# Altium PCB MercurialSDR.PcbDoc (part 2 of 6)
Units mil, origin at the board's own origin, x right, y up, seen from the top; angles counter-clockwise.
Board outline 3937.01 x 2362.2 mil, 2 copper layers (Top Layer, Bottom Layer); 147 components, 115 nets, 574 pads, 237 vias.
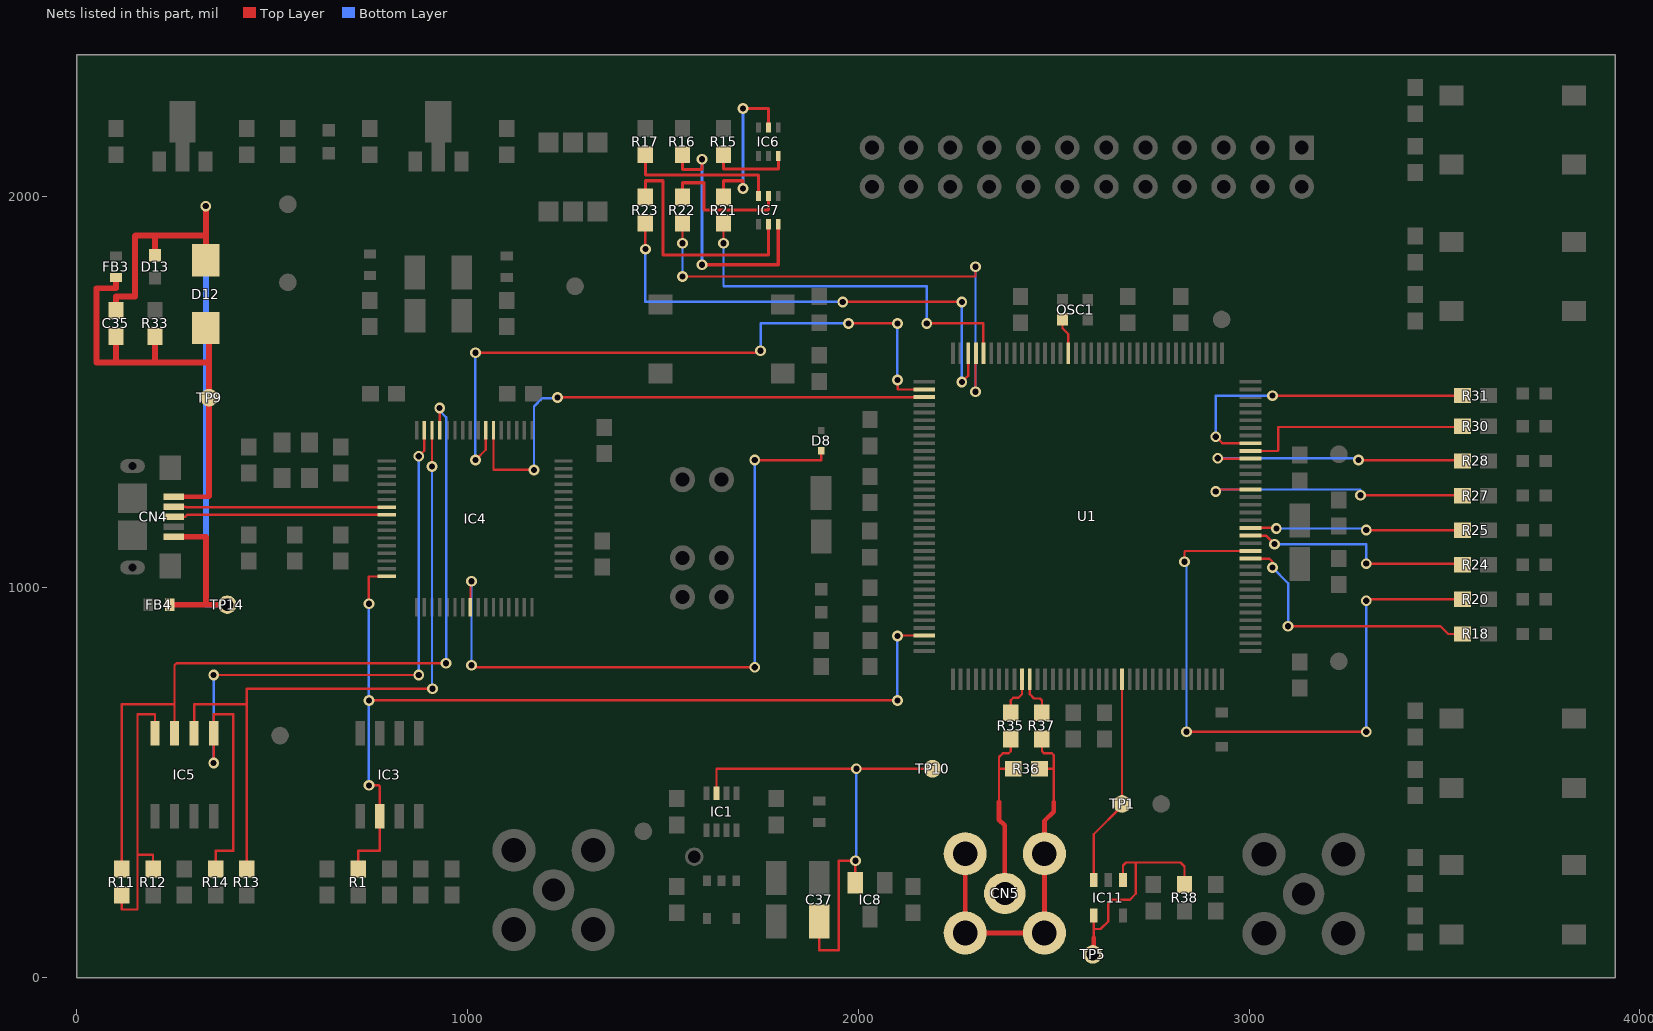
[diagram p2: the nets of this part, all layers, seen from the top]

## Via types
v1: diameter 27.56, hole 15.75, Top Layer to Bottom Layer, tented both sides, 237 vias

## Nets (pads, with @x,y where several pads share a name; then routed paths per layer and width w, separated by ;. In a path a pad name is that pad's centre, name@x,y a point inside that pad or via, vN(x,y) a via of type N, cw(c..) or ccw(c..) an arc to the next point about the centre after c; other vN are vias at no path point) (continued)
NetIC4_54: IC4.54 U1.39 | length 1375.2
  Top Layer w6: IC4.54@1066.31,1401.38 1066.31,1301.31 1067.63,1300 v1(1170,1300) ; v1@1230,1486.22 U1.39@2169.13,1486.22
  Bottom Layer w6: v1(1170,1300) 1170,1462.37 1191.31,1483.69 1228.69,1483.69 v1(1230,1485)
NetIC4_55: IC4.55 U1.38 | length 1752.1
  Top Layer w6: v1(1020,1325) 1046.63,1351.63 IC4.55@1046.63,1401.38 ; v1(1020,1600) 1745,1600 v1(1750,1605) ; v1(1975,1675) v1(2100,1675) ; v1@2100.91,1529.09 2100.91,1505.91 U1.38@2169.13,1505.91
  Bottom Layer w6: v1(1020,1325) v1(1020,1600) ; v1(1750,1605) 1750,1675 v1(1975,1675) ; v1(2100,1530) 2100,1672.06 2098.53,1673.53 v1(2100,1675)
NetIC4_61: IC4.61 IC5.3 R11.2 | length 2144.8
  Top Layer w6: R11.2@115,278.46 115,700 250,700 ; IC5.3@250,626.3 250,700 ; IC4.61@928.52,1401.38 v1(928.52,1458.52) ; v1(945,805) 255,805 250,800 250,700
  Bottom Layer w6: v1(928.52,1458.52) 928.52,1451.48 945,1435 v1(945,805)
NetIC4_62: IC4.62 IC5.2 R13.2 | length 1807.1
  Top Layer w6: IC5.2@300,626.3 300,700 435,700 ; R13.2@435,278.46 435,700 ; v1(908.83,1308.83) IC4.62@908.83,1401.38 ; v1(910,740) 435,740 435,700
  Bottom Layer w6: v1(908.83,1308.83) 908.83,741.17 v1(910,740)
NetIC4_63: IC4.63 IC5.1 R14.2 | length 2003.8
  Top Layer w6: v1(350,550) IC5.1@350,626.3 350,675 400,675 400,325 355,325 R14.2@355,278.46 ; v1(350,775) v1(875,775) ; v1@875,1330 v1(875,1335) 889.15,1349.15 IC4.63@889.15,1401.38
  Bottom Layer w6: v1(350,550) v1(350,775) ; v1(875,775) v1(875,1335)
NetIC5_4: IC5.4 R11.1 R12.1 | length 746.8
  Top Layer w6: R11.1@115,211.54 115,175 155,175 155,315 ; R12.1@195,278.46 195,315 155,315 ; IC5.4@200,626.3 200,675 155,675 155,315
NetIC6_2: IC6.2 R21.1 | length 430.3
  Top Layer w8: R21.1@1655,1998.46 1655,2040 1705,2040 v1(1705,2020) ; v1(1705,2225) 1770,2225 IC6.2@1770,2176.22
  Bottom Layer w8: v1(1705,2020) v1(1705,2225)
NetIC6_6: IC6.6 R15.2 | length 210.6
  Top Layer w8: R15.2@1655,2106.54 1655,2070 1795,2070 1795.59,2070.59 IC6.6@1795.59,2103.78
NetIC7_2: IC7.2 R22.1 | length 362.8
  Top Layer w8: R22.1@1550,1998.46 1550,2035 1605,2035 1605,1965 1770,1965 IC7.2@1770,2001.22
NetIC7_3: IC7.3 R17.2 | length 395.6
  Top Layer w8: R17.2@1455,2106.54 1455,2055 1745,2055 1745,2001.81 IC7.3@1744.41,2001.22
NetIC7_5: IC7.5 R23.2 | length 625.3
  Top Layer w8: R23.2@1455,1998.46 1455,2040 1500,2040 1500,1850 1770,1850 IC7.5@1770,1928.78
NetIC7_6: IC7.6 R16.2 | length 682.2
  Top Layer w8: R16.2@1550,2106.54 1550,2069.2 1600,2069.2 v1(1600,2095) ; v1(1600,1825) 1795,1825 1795,1928.19 IC7.6@1795.59,1928.78
  Bottom Layer w8: v1(1600,1825) v1(1600,2095)
NetIC11_1: IC11.1 IC11.4 R38.1 TP5.1 | length 600.4
  Top Layer w6: 2602.6,102.4 2602.6,125 ; IC11.4@2602.6,159.72 2602.6,125 ; IC11.1@2677.4,250.28 2677.4,287.4 2685,295 2710,295 ; R38.1@2835,238.46 2835,285 2825,295 2710,295 ; 2602.6,125 2620,125 2640,145 2640,190 2650,200 2695,200 2710,215 2710,295
  Top Layer w12: TP5.1@2600,60 2602.6,62.6 2602.6,102.4
NetOSC1_3: OSC1.3 U1.21 | length 93.1
  Top Layer w6: OSC1.3@2522.52,1685.39 2522.52,1662.48 2537.24,1647.76 U1.21@2537.24,1598.43
NetR18_2: R18.2 U1.121 | length 695.9
  Top Layer w6: U1.121@3003.77,1072.83 3052.17,1072.83 3060,1065 v1(3060,1050) ; v1(3100,900) 3490,900 3510,880 R18.2@3546.54,880
  Bottom Layer w6: v1(3060,1050) 3100,1010 v1(3100,900)
NetR20_2: R20.2 U1.122 | length 1674.9
  Top Layer w6: v1(2835,1065) 2835,1090 2837.52,1092.52 U1.122@3003.77,1092.52 ; v1(2840,630) v1(3300,630) ; v1(3300,965) 3303.57,968.57 R20.2@3546.54,968.57
  Bottom Layer w6: v1(2835,1065) 2840,1060 v1(2840,630) ; v1(3300,630) v1(3300,965)
NetR21_2: R21.2 U1.32 | length 998.4
  Top Layer w6: v1(1655,1880) R21.2@1655,1931.54 ; v1(2175,1675) 2320,1675 2320,1599.13 U1.32@2320.7,1598.43
  Bottom Layer w6: v1(1655,1880) 1655,1770 2175,1770 v1(2175,1675)
NetR22_2: R22.2 U1.33 | length 1330.4
  Top Layer w6: v1(1550,1795) 2300,1795 v1(2300,1820) ; v1(1550,1880) R22.2@1550,1931.54 ; v1(2300,1500) 2300,1597.41 U1.33@2301.02,1598.43
  Bottom Layer w6: v1(1550,1795) v1(1550,1880) ; v1(2300,1500) v1(2300,1820)
NetR23_1: R23.1 U1.34 | length 1296.7
  Top Layer w6: v1(1455,1865) R23.1@1455,1931.54 ; v1(1960,1730) v1(2265,1730) ; v1(2265,1525) 2281.33,1541.33 U1.34@2281.33,1598.43
  Bottom Layer w6: v1(1455,1865) 1455,1730 v1(1960,1730) ; v1(2265,1525) v1(2265,1730)
NetR24_2: R24.2 U1.124 | length 603
  Top Layer w6: U1.124@3003.77,1131.89 3043.11,1131.89 v1(3065,1110) ; v1(3300,1060) 3543.68,1060 R24.2@3546.54,1057.14
  Bottom Layer w6: v1(3065,1110) 3300,1110 v1(3300,1060)
NetR25_2: R25.2 U1.125 | length 545.2
  Top Layer w6: U1.125@3005.35,1150 U1.125@3003.77,1151.57 v1@3068.43,1151.57 ; v1(3300,1146.43) 3300.71,1145.71 R25.2@3546.54,1145.71
  Bottom Layer w6: v1(3070,1150) 3296.43,1150 v1(3300,1146.43)
NetR27_2: R27.2 U1.130 | length 739.7
  Top Layer w6: v1(2915,1245) 2920,1250 U1.130@3003.77,1250 ; v1(3285,1235) 3545.82,1235 R27.2@3546.54,1234.29
  Bottom Layer w6: v1(2915,1245) 2920,1250 3285,1250 v1(3285,1235)
NetR28_2: R28.2 U1.134 | length 716.7
  Top Layer w6: v1(2920,1330) 2921.26,1328.74 U1.134@3003.77,1328.74 ; v1(3280,1325) 3544.39,1325 R28.2@3546.54,1322.86
  Bottom Layer w6: v1(2920,1330) 3280,1330 v1(3280,1325)
NetR30_2: R30.2 U1.135 | length 604
  Top Layer w6: U1.135@3003.77,1348.43 3073.43,1348.43 3075,1350 3075,1410 3545.11,1410 R30.2@3546.54,1411.43
NetR31_2: R31.2 U1.136 | length 833
  Top Layer w6: v1(2915,1385) 2931.89,1368.11 U1.136@3003.77,1368.11 ; v1(3060,1490) 3546.15,1490 R31.2@3546.54,1490.38
  Bottom Layer w6: v1(2915,1385) 2915,1490.38 2915.38,1490 v1(3060,1490)
PGND: C35.2 CN4.5 D12.1 D13.2 FB4.1 TP14.1 | length 2087.1
  Top Layer w15: C35.2@100,1708.46 100,1743.8 148.8,1743.8 148.8,1898.8 150,1900 200,1900 ; D13.2@200,1849.53 200,1900 ; FB4.1@237.56,955 330,955 ; CN4.5@247.66,1128.82 328.82,1128.82 ; 330,1128.82 330,955 ; D12.1@330,1836.61 330,1900 ; v1(330,1975) 330,1900 ; TP14.1@385,955 330,955 ; 200,1900 330,1900
  Bottom Layer w15: v1(330,1975) 330,955 TP14.1@385,955
PWM_DIF_N: R37.2 U1.83 | length 107
  Top Layer w6: U1.83@2438.81,763.78 2438.81,726.19 2450,715 2465,715 2470,710 R37.2@2470,678.46
PWM_DIF_P: R35.2 U1.82 | length 105.1
  Top Layer w6: R35.2@2390,678.46 2390,710 2396.74,716.74 2410,716.74 2419.13,725.87 U1.82@2419.13,763.78
PWM_MOD: IC11.3 TP1.1 U1.95 | length 543.5
  Top Layer w6: IC11.3@2602.6,250.28 2602.6,367.6 2675.03,440.03 U1.95@2675.03,763.78
PWM_OUT_N: CN5.2 R36.2 R37.1 | length 972.7
  Top Layer w6: R36.2@2463.46,535 2500,535 ; R37.1@2470,611.54 2470,580 2475,575 2495,575 2500,570 2500,535 ; 2500,450 2500,535
  Top Layer w12: CN5.2@2273.62,317.58 CN5.2@2273.62,114.83 CN5.2@2476.38,114.83 CN5.2@2476.38,317.58 2476.38,401.38 2500,425 2500,450
PWM_OUT_P: CN5.1 R35.1 R36.1 | length 459.3
  Top Layer w6: 2360,450 2360,535 ; R35.1@2390,611.54 2390,580 2385,575 2370,575 2360,565 2360,535 ; R36.1@2396.54,535 2360,535
  Top Layer w12: 2360,450 2360,405 2375,390 CN5.1@2375,216.21
RESET_S: D8.2 IC4.24 | length 1738.6
  Top Layer w6: IC4.24@1007.26,948.62 1007.26,1012.26 v1(1010,1015) ; v1(1010,800) 1015,795 v1(1735,795) ; v1(1735,1325) 1905,1325 D8.2@1905,1349.02
  Bottom Layer w6: v1(1010,800) v1(1010,1015) ; v1(1735,795) 1735,830 ; 1735,825 v1(1735,1325)
SCK_S: IC3.6 IC4.16 R1.2 U1.70 | length 2462.7
  Top Layer w6: R1.2@720,278.46 720,325 775,325 IC3.6@775,413.7 775,490.28 772.64,492.64 v1(747.64,492.64) ; v1(747.36,710) v1(2100,710) ; v1(747.36,957.36) 747.36,1027.36 IC4.16@792.69,1027.36 ; v1(2100,875) 2100.98,875.98 U1.70@2169.13,875.98
  Bottom Layer w6: v1(747.36,957.36) v1(747.36,710) 747.36,492.64 v1(747.64,492.64) ; v1(2100,710) v1(2100,875)
USB_BUS: C35.1 CN4.1 D12.2 FB3.1 R33.1 TP9.1 | length 1208.7
  Top Layer w12: CN4.1@247.66,1231.18 336.18,1231.18 338.29,1233.29
  Top Layer w15: C35.1@100,1641.54 100,1575 ; FB3.1@100,1792.44 100,1765 50,1765 50,1575 100,1575 ; 200,1575 R33.1@200,1641.54 ; 338.29,1233.29 338.29,1575 ; D12.2@338.29,1661.68 338.29,1575 ; 100,1575 338.29,1575
USB_D_N: CN4.2 IC4.7 | length 545.5
  Top Layer w6: CN4.2@247.66,1205.59 277.23,1205.59 278.3,1204.53 IC4.7@792.69,1204.53
USB_D_P: CN4.3 IC4.8 | length 547
  Top Layer w6: CN4.3@247.66,1180 277.23,1180 282.07,1184.84 IC4.8@792.69,1184.84
VREF: C37.1 IC1.3 IC8.2 TP10.1 | length 1299.8
  Top Layer w6: IC1.3@1637.2,472.24 1637.2,535.02 1980.19,534.83 1980.36,535 v1(1995,535) ; C37.1@1900.2,144.49 1900.2,70.2 1950.2,70.2 1950.2,299.8 v1(1992.6,299.8) IC8.2@1992.6,243.31 ; v1@1999.8,535 TP10.1@2190,535
  Bottom Layer w6: v1(1992.6,299.8) 1995,302.2 v1(1995,535)
pads on no net: CN4.0 CN4.4 IC4.19 IC4.22 IC4.26 IC4.27 IC4.28 IC4.29 IC4.30 IC4.32 IC4.33 IC4.34 IC4.36 IC4.57 IC4.58 IC4.59 IC4.60 IC5.7 SW0.2 SW0.3 SW1.2 SW1.3 SW2.2 SW2.3 SW3.2 SW3.3 SW4.2 SW4.3 U1.1 U1.2 U1.3 U1.4 U1.19 U1.20 U1.22 U1.31 U1.35 U1.36 U1.37 U1.44 U1.49 U1.50 U1.51 U1.52 U1.58 U1.63 U1.64 U1.73 U1.75 U1.77 U1.78 U1.80 U1.81 U1.84 U1.85 U1.87 U1.88 U1.90 U1.91 U1.93 U1.94 U1.96 U1.97 U1.98 U1.99 U1.101 U1.102 U1.104 U1.105 U1.106 U1.107 U1.109 U1.112 U1.113 U1.114 U1.116 U1.117 U1.118 U1.119 U1.120 U1.128 U1.129 U1.133 U1.137 U1.138 U1.141 U1.142 U1.143
copper on no net: | length 42017.2